# Altium PCB Turbo.PcbDoc (part 2 of 3)
Units mil, origin at the board's own origin, x right, y up, seen from the top; angles counter-clockwise.
Board outline 2244.09 x 2086.61 mil, 4 copper layers (Top Layer, GND, Power, Bottom Layer), stack 23.756 mil thick; 189 components, 157 nets, 733 pads, 481 vias.
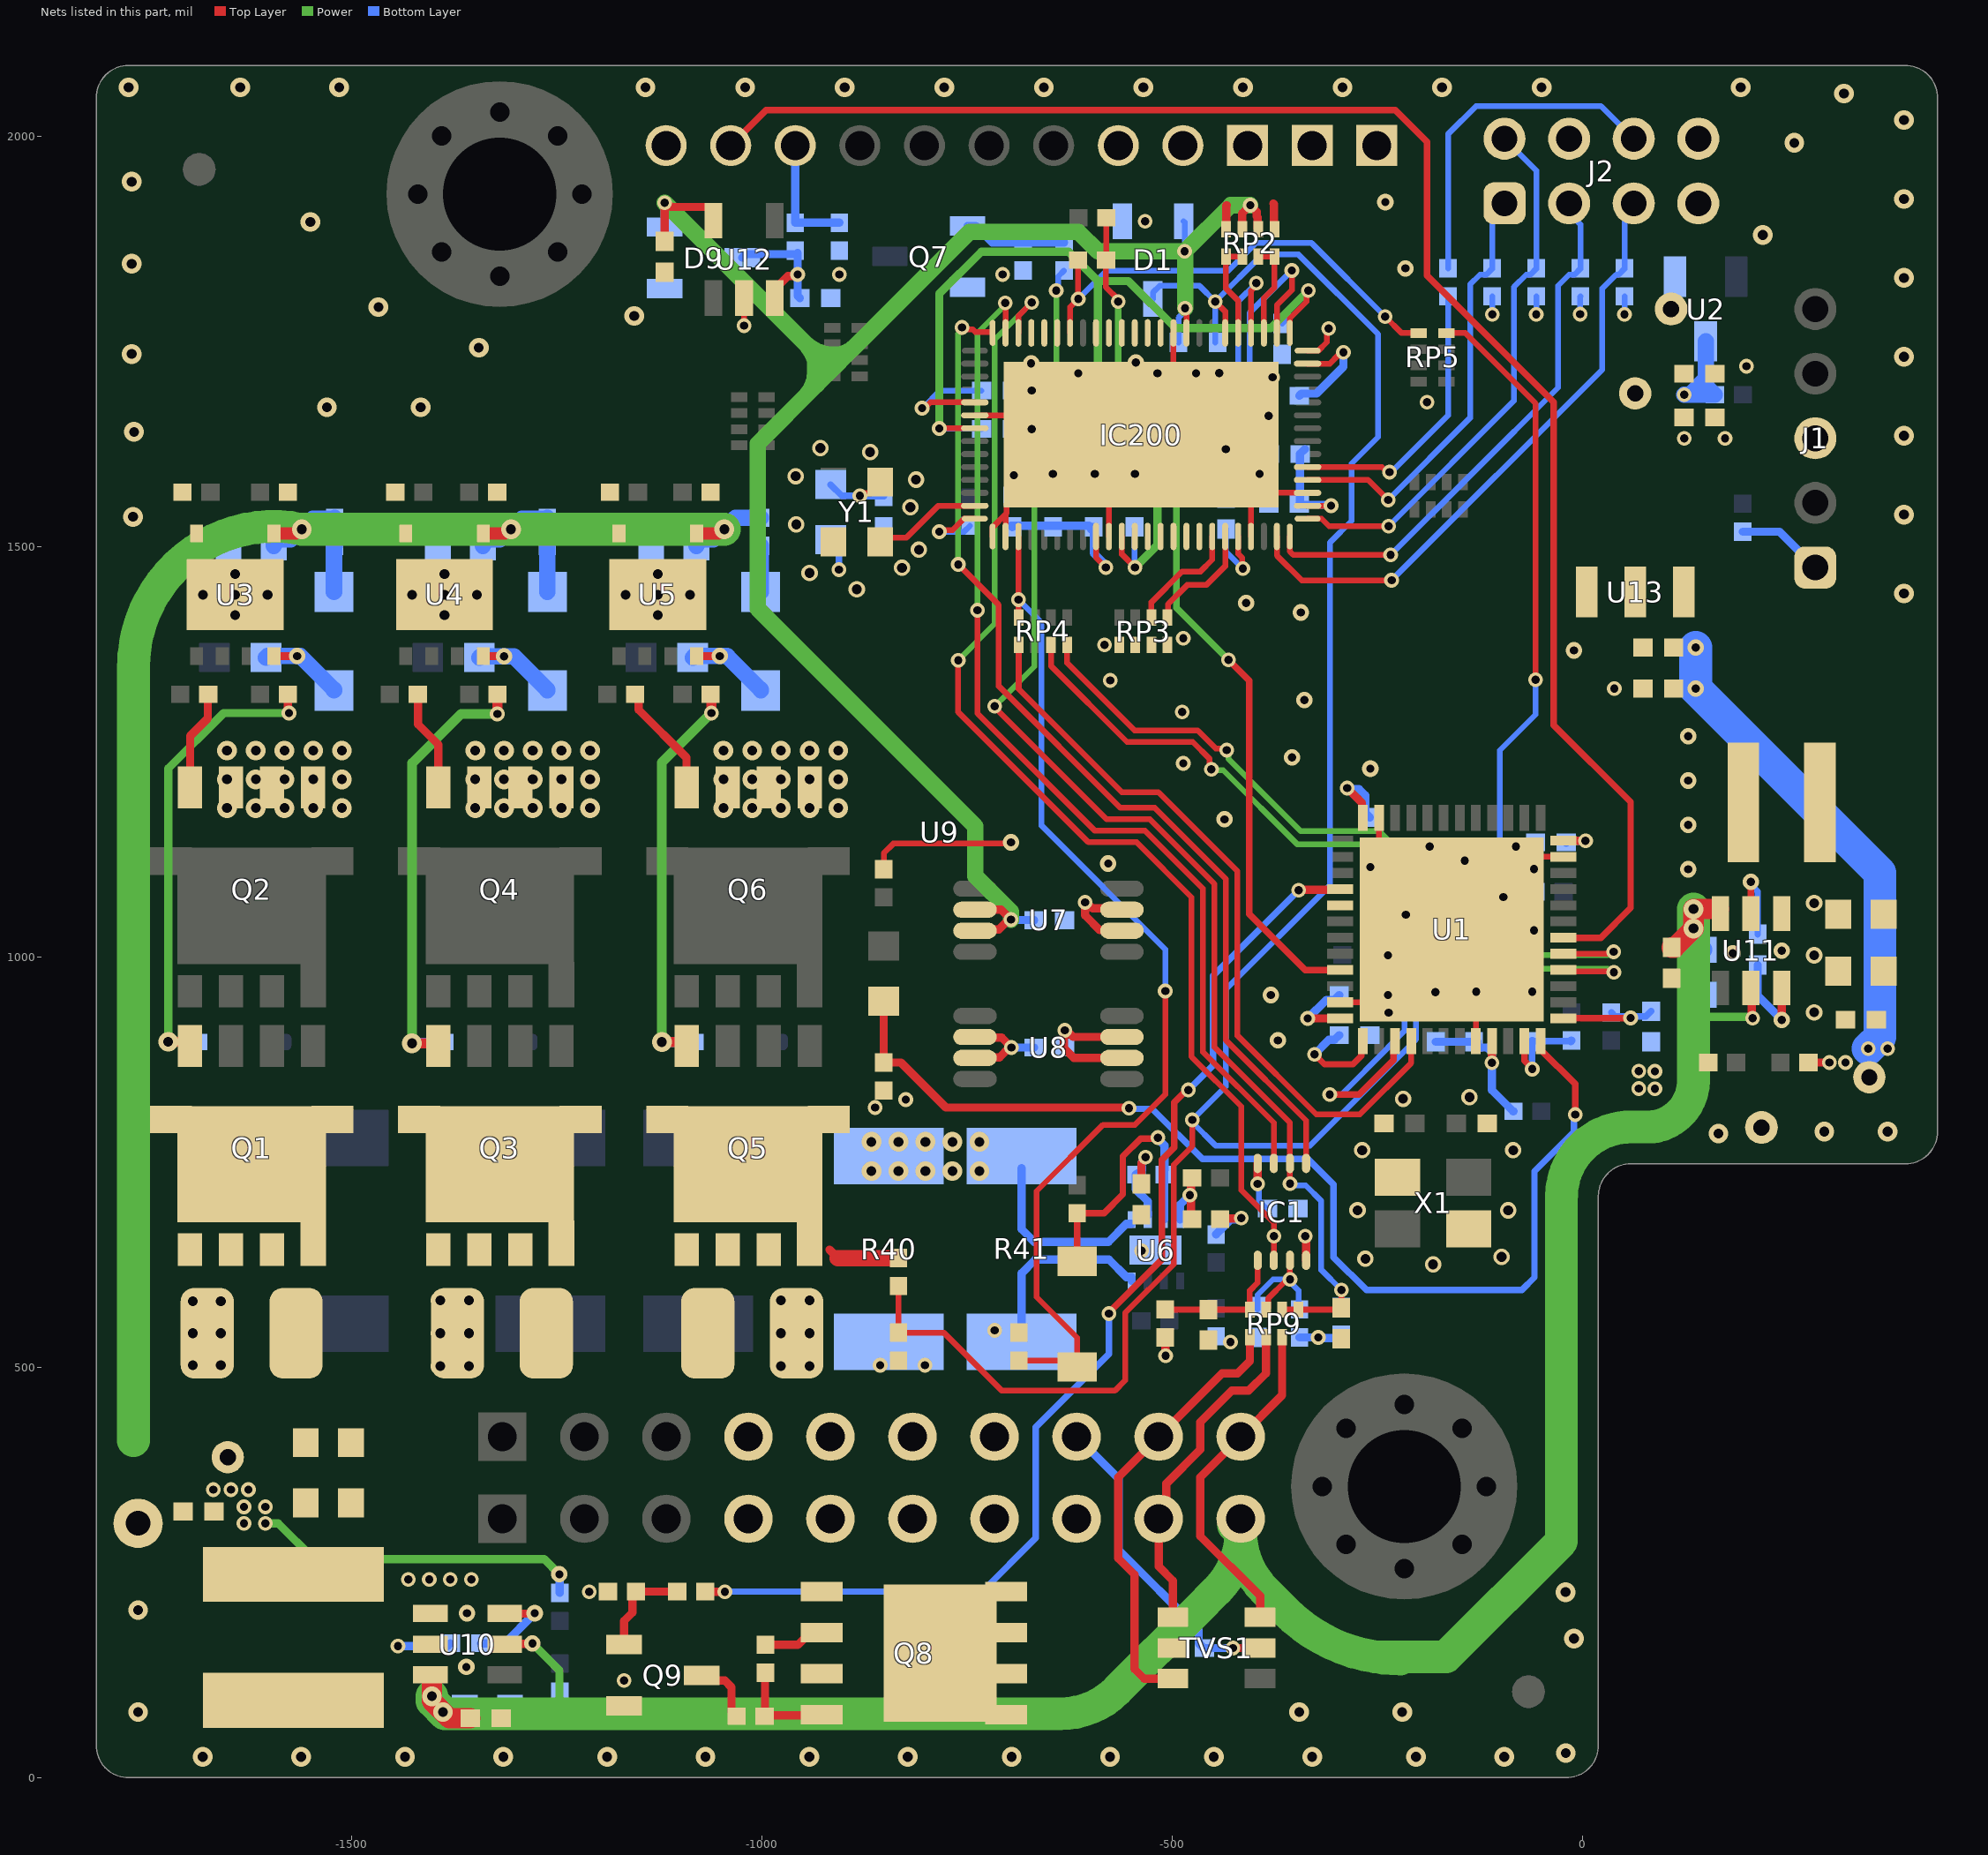
[diagram p4: the nets of this part, all layers, seen from the top]

## Via types
v1: diameter 24, hole 12, Top Layer to Bottom Layer, 215 vias
v2: diameter 18, hole 10, Top Layer to Bottom Layer, 185 vias
v3: diameter 20, hole 10, Top Layer to Bottom Layer, 40 vias
v4: diameter 20, hole 12, Top Layer to Bottom Layer, tented top, 19 vias
v5: diameter 23.62, hole 12, Top Layer to Bottom Layer, tented both sides, 15 vias
v6: diameter 18, hole 10, Top Layer to Bottom Layer, tented top, 4 vias
v7: diameter 20, hole 12, Top Layer to Bottom Layer, 3 vias

## Nets (pads, with @x,y where several pads share a name; then routed paths per layer and width w, separated by ;. In a path a pad name is that pad's centre, name@x,y a point inside that pad or via, vN(x,y) a via of type N, cw(c..) or ccw(c..) an arc to the next point about the centre after c; other vN are vias at no path point)
3V3: C2.2 C3.2 C5.2 C6.2 C7.2 C8.2 C9.2 C10.2 C17.1 C18.1 C19.2 C20.2 C21.1 C22.2 C32.1 C39.2 C62.2 C63.2 FB1.2 IC1.8 IC200.2 IC200.13 IC200.43 IC200.52 IC200.61 IC200.72 J1.1 J2.4 R5.1 R7.2 R8.2 R10.2 R17.2 R18.2 R19.2 R21.2 R27.2 R29.1 R30.1 R44.2 T3.1 U1.1 U1.9 U1.24 U1.36 U1.48 U2.3 U6.2 U9.21 U13.2 | length 2158
  Top Layer w7: R27.2@-851.3,1106.96 -851.3,1126.61 -839.65,1138.26 -697.95,1138.26 v3(-696.33,1139.88) ; v2(-804.52,1669) -801.55,1669 -794.59,1675.96 IC200.43@-740.3,1675.96 ; v2(-783.52,1518.37) -781.42,1520.48 -767.19,1520.48 -753.5,1534.17 -740.36,1534.17 IC200.52@-740.3,1534.23 ; IC200.61@-592.66,1512.57 -592.66,1487.03 v2(-580.5,1474.87) ; IC200.72@-419.43,1512.57 -419.43,1491.49 -414.33,1486.39 -414.33,1474.21 v2(-413.63,1473.51) ; IC200.13@-334.79,1723.2 -307.55,1723.2 -297.95,1732.81 v2@-294.57,1732.81 ; IC200.2@-334.79,1549.98 v2(-306.06,1550.04)
  Top Layer w8: v2(-326.32,881.59) -314.17,869.43 -279.56,869.43 -269.4,879.59 -269.4,895.59 U1.1@-267.4,897.59
  Top Layer w10: C32.1@-537.41,723.62 -537.41,748.75 -532.23,753.92 v6(-532.23,756.09) ; R29.1@-441.36,680.71 -440.74,681.33 -416.21,681.33 v2(-415.58,681.96) ; v2(-395.58,723.62) IC1.8@-395.58,748.62 ; v2(-334.59,925.32) U1.48@-295.13,925.32 ; v2(-286.4,1206.02) -268.4,1188.02 -268.4,1170.59 U1.36@-267.4,1169.59 ; v2(-110.23,871.26) -110.08,871.41 -110.08,897.43 U1.9@-109.92,897.59 ; U1.24@-23.13,1141.85 v2(3.99,1141.85)
  Bottom Layer w7: v2(-804.52,1669) -803.9,1669 -782.47,1690.44 C8.2@-732.03,1690.44 ; v2(-783.52,1518.37) -753.41,1518.37 -746.28,1525.5 R5.1@-746.28,1525.79 ; C10.2@-434.25,1521.71 -434.25,1494.13 v2(-413.63,1473.51) ; v2(-395.58,723.62) -394.3,722.33 -394.3,704.12 -392.12,701.94 -392.12,700.95 -384.8,693.63 C39.2@-383.81,693.63 ; R17.2@-109.77,1805.2 -109.64,1805.07 v2(-109.64,1783.29) ; v2(-56.02,1783.16) R18.2@-56.02,1805.2 ; v2(-2.68,1783.56) -2.68,1804.8 R19.2@-2.27,1805.2 ; v2(51.48,1783.16) R21.2@51.48,1805.2
  Bottom Layer w8: FB1.2@-916.02,1508.78 -906.02,1498.78 v2(-906.02,1472.24)
  Bottom Layer w10: C2.2@-696.28,1525.77 C2.2@-694.63,1524.12 ; C2.2@-694.63,1525.79 -601.19,1525.79 -598.31,1522.91 -598.31,1521.18 C9.2@-595.37,1524.12 ; C9.2@-596.53,1521.18 -595.37,1520.02 -595.37,1492.45 -580.5,1477.58 v2(-580.5,1474.87) ; R30.1@-544.34,734.88 -544.34,717.18 -529.65,702.49 U6.2@-529.65,685.52 ; R30.1@-543.75,735.46 -542.09,735.46 -537.04,740.51 -537.04,749.12 -532.23,753.92 v6(-532.23,756.09) ; R44.2@-446.3,661.96 -446.3,662.47 -440.67,668.1 -440.16,668.1 -427.83,680.43 -417.11,680.43 v2(-415.58,681.96) ; C6.2@-344.76,1552.3 C6.2@-344,1552.3 ; C7.2@-344.76,1683.96 -342.08,1686.64 -323.8,1686.64 -291.01,1719.43 v2(-291.01,1737.05) ; C5.2@-338.18,1618.96 C5.2@-344,1613.14 C6.2@-344,1552.3 ; v2(-334.59,925.32) -311.9,948.01 -302.01,948.01 C20.2@-296.18,953.83 ; v2(-326.32,881.59) -308.81,899.1 -302.01,899.1 C17.1@-296.18,904.92 ; v2(-306.06,1550.04) -307.19,1551.17 -342.87,1551.17 C6.2@-344,1552.3 ; v2(-286.4,1206.02) -284.87,1204.49 -272.09,1204.49 -264.61,1197.01 -264.61,1176.04 C19.2@-258.78,1170.22 ; C22.2@-178.45,896.73 -127.78,896.73 -127.78,891.73 -125.97,889.92 -115.99,889.92 -110.13,884.06 v2@-110.13,872.39 ; v2(-110.23,871.26) -110.13,871.16 -110.13,837.99 -84.39,812.25 R10.2@-83.89,812.25 ; C18.1@-19.54,1139.69 -17.37,1141.85 v2(3.99,1141.85) ; v2(124.15,1685.39) 150.42,1711.66 ; R8.2@195.63,1518.37 240.37,1518.37 J1.1@283.98,1474.76
  Bottom Layer w20: v2(124.15,1685.39) R7.2@161.55,1685.39 161.05,1685.39 150.42,1696.02 150.42,1711.66 U2.3@150.42,1750.35
  other v2: 124.15,1632.24
5V: C4.2 C34.1 C40.1 C41.1 C54.2 C55.2 C56.2 C57.2 C60.2 C61.2 D1.2 D9.2 IC200.23 L2.2 R46.2 R47.2 R48.2 R69.2 RP2.2 RP2.3 T2.1 TVS1.5 U7.6 U7.7 U8.6 U8.7 U9.16 U12.5 U13.3 | length 3688.2
  Top Layer w7: v2(-484.04,1790.7) -482.46,1789.11 IC200.23@-482.46,1760.64
  Top Layer w10: C57.2@-1118.27,1871.93 v2(-1118.27,1919.17) -1115.56,1919.17 -1110.56,1914.17 -1064.77,1914.17 -1058.94,1908.35 U12.5@-1058.94,1897.52 ; U8.7@-740.15,877.13 -739.4,877.87 -710.34,877.87 -698.29,889.92 v2(-695.58,889.92) -707.63,901.97 -739.4,901.97 U8.6@-740.15,902.72 ; U7.7@-740.15,1032.12 -738.65,1033.62 -711.09,1033.62 -699.04,1045.67 v2(-696.33,1045.67) -708.38,1057.72 U7.6@-740.15,1057.72 ; R48.2@-508.2,536.58 -508.02,536.4 -508.02,514.4 v2(-507.85,514.23) ; v2(-425.73,158.11) TVS1.5@-392.58,158.11 ; RP2.2@-414.47,1887.19 -414.47,1906.23 v6@-404.63,1916.06 ; v6(-404.63,1916.24) v6@-404.63,1916.06 ; RP2.3@-394.79,1887.19 -395.69,1888.09 -395.69,1901.57 -396.67,1902.55 -396.67,1908.1 v6@-404.63,1916.06 ; R69.2@275.59,871.45 R69.2@275.59,871.45 v2(301.29,871.53) v2(301.29,871.53)
  Power w20: v2(-1118.27,1919.17) -948.49,1749.39 ; -948.43,1749.34 -934.83,1735.73 ; -946.61,1683.87 ccw(c-975.06,1712.32) -934.83,1712.32 -934.83,1726.65 ; -876.05,1754.43 -886.07,1744.41 ; v2(-696.33,1045.67) -696.33,1055.4 -739.73,1098.8 -739.73,1159.43 -1005,1424.7 -1005,1625.48 -932.47,1698.01 ; v2@-484.04,1791.02 -484.04,1859.42 v2(-484.59,1859.96) ; v6(-404.63,1916.24) -428.3,1916.24 v2(-484.59,1859.96) ; -934.83,1726.65 ccw(c-987.05,1710.76) -948.41,1749.32 ccw(c-911.27,1786.59) -934.83,1739.54 ; -934.83,1726.65 cw(c-987.05,1710.76) -932.47,1710.76 -932.47,1698.01 ; -934.83,1726.65 -934.83,1735.73 ; -934.83,1735.73 -934.83,1739.54 ; -934.83,1735.73 -918.37,1719.27 -911.2,1719.27 ; -934.83,1739.54 ccw(c-911.27,1786.59) -911.27,1733.97 ; -932.47,1698.01 -911.2,1719.27 ; -911.27,1733.97 ccw(c-911.27,1769.6) -886.07,1744.41 ; -911.27,1733.97 -896.51,1733.97 ; -911.2,1719.27 -896.51,1733.97 ; -896.51,1733.97 -886.07,1744.41 ; -886.07,1744.41 -746.8,1883.68 -614.15,1883.68 -590.44,1859.96 v2(-484.59,1859.96)
  Bottom Layer w7: C4.2@-492.09,1748.86 -492.09,1779.14 -484.04,1787.18 v2(-484.04,1790.7) ; D1.2@-485.85,1896.58 -484.59,1895.31 v2(-484.59,1859.96)
  Bottom Layer w10: D9.2@-1118.27,1889.65 v2(-1118.27,1919.17) ; v2(-696.33,1045.67) -695.96,1045.3 -668.44,1045.3 C34.1@-668.06,1044.92 ; v2(-695.58,889.92) C41.1@-668.06,889.92 ; U9.16@-616.2,415.6 -565,364.4 -565,277.61 -467.39,180 -467.39,163.94 -461.57,158.11 C40.1@-460.58,158.11 v2(-425.73,158.11) ; R47.2@-344.6,536.58 v2(-321.64,536.58) -320.93,535.87 -288.75,535.87 R46.2@-288.04,535.16
  Bottom Layer w40: v3(138.19,1377.24) v3(138.19,1327.24) 362.78,1102.65 362.78,902.62 v2(348.55,888.38)
  other v2: 68.96,839.73 88.52,839.66 68.96,860.96 88.52,860.88 320.85,871.45 372.18,888.38
12V: C24.1 C25.1 C26.1 C47.2 C48.2 C49.2 L1.2 R11.1 R20.1 R31.1 R67.2 T1.1 U3.1 U4.1 U5.1 | length 2548.1
  Top Layer w15: U3.1@-1593.11,1516.42 -1568.02,1516.42 -1563.02,1521.42 v1(-1560.58,1521.42) ; U4.1@-1338.11,1516.42 -1313.02,1516.42 -1308.02,1521.42 v1(-1305.58,1521.42) ; U5.1@-1078.11,1516.42 -1053.02,1516.42 -1048.02,1521.42 v1(-1045.58,1521.42)
  Power w10: v2(-1605,310) -1589.18,310 -1545.42,266.24 -1264.95,266.24 v3(-1246.65,247.94)
  Power w40: -1765.61,410.64 -1765.61,1353.72 cw(c-1594.51,1353.72) v1(-1560.58,1521.42) v1(-1305.58,1521.42) v1(-1045.58,1521.42)
  Bottom Layer w10: v3(-1246.65,247.94) -1246.34,247.62 -1246.34,225.49 R67.2@-1246.02,225.17
  Bottom Layer w20: C24.1@-1594.7,1501.19 -1594.7,1503.16 -1588.95,1508.91 -1574.18,1508.91 -1562.43,1520.65 v1@-1561.35,1520.65 ; v1(-1560.58,1521.42) -1559.5,1521.42 -1546.78,1534.13 -1521.21,1534.13 -1520.58,1534.76 R11.1@-1520.58,1535.27 ; C25.1@-1339.7,1501.19 -1339.7,1503.16 -1333.95,1508.91 -1319.18,1508.91 -1306.67,1521.42 v1(-1305.58,1521.42) -1304.5,1521.42 -1291.78,1534.13 -1261.93,1534.13 -1261.3,1534.76 R20.1@-1261.3,1535.27 ; C26.1@-1079.7,1501.19 -1079.7,1503.16 -1073.95,1508.91 -1059.18,1508.91 -1046.67,1521.42 v1(-1045.58,1521.42) -1031.73,1535.27 R31.1@-1001.3,1535.27
  other v2: -1631.1,310 -1631.1,330 -1605,330 -1668.27,351.1 -1646.98,351.1 -1625.68,351.1
24V_Power: C45.2 C46.2 C52.2 C53.2 U9.19 U10.3 U10.5 U11.3 U11.5 | length 3102.9
  Top Layer w10: U10.5@-1313.23,162.66 -1312.65,163.24 -1280.01,163.24 v3(-1279.44,163.82) ; U11.5@205.62,962.47 206.62,961.47 206.62,926.71 v2(207.62,925.71)
  Top Layer w25: U10.3@-1401.92,114.79 -1401.92,93.54 -1381.04,72.66 C46.2@-1355.08,72.66 ; C53.2@108.98,1011.72 112.51,1011.72 v1(135.64,1034.86) v1(135.64,1058.56) U11.3@166.19,1058.56
  Power w10: v3(-1279.44,163.82) -1246.65,131.03 -1246.65,65 ; 134.55,927.24 135.64,927.24 206.08,927.24 v2(207.62,925.71)
  Power w40: v1(-1401.92,99.32) -1401.92,93.54 -1386.24,77.86 -636.2,77.86 ccw(c-636.2,175.77) -566.97,106.53 -470.5,203 -445.49,228.01 ccw(c-516.2,298.72) U9.19@-416.2,298.72 ; U9.19@-424.64,307.16 U9.19@-416.2,315.6 U9.19@-416.2,298.72 ; -221.73,144.92 cw(c-221.6,343.42) -252.55,147.35 ; -25.31,289.07 -25.31,288.02 ; v1(135.64,1058.56) v1(135.64,1034.86) 135.64,927.24 135.64,849.7 cw(c78.58,849.7) 90.6,793.92 cw(c82.22,833.03) 82.31,793.03 59.06,793.03 ccw(c59.06,748.03) 56.85,792.98 52.99,792.79 ccw(c55.2,747.84) 46.42,791.98 38.85,790.47 ccw(c47.63,746.34) 30.41,787.91 23.28,784.96 ccw(c40.5,743.38) 15.5,780.8 9.08,776.51 ccw(c34.08,739.09) 2.24,770.9 -3.18,765.48 ccw(c28.62,733.64) -8.79,758.64 -13.08,752.22 ccw(c24.33,727.22) -17.24,744.44 -20.19,737.31 ccw(c21.38,720.09) -22.75,728.87 -24.26,721.3 ; U9.19@-416.2,298.72 ccw(c-316.2,298.72) -386.91,228.01 -361.9,203 -361.82,202.92 ccw(c-221.6,343.42) -252.55,147.35 ; -252.55,147.35 -165.99,147.35 -25.31,288.02 ; -25.31,288.02 -25.31,330.8 -25.31,708.66 ; -25.31,708.66 cw(c19.69,708.66) -25.26,710.87 ; -25.31,708.66 cw(c19.69,708.66) -25.26,710.87 ; -25.26,710.87 -25.07,714.73 ; -25.07,714.73 cw(c19.88,712.52) -24.26,721.3 ; -25.07,714.73 cw(c19.88,712.52) -24.26,721.3
  Bottom Layer w25: v1(-1401.92,99.32) -1401.92,93.54 v1(-1388.44,80.06) -1364.93,80.06 C45.2@-1361.89,83.1 ; v1(135.64,1058.56) v1(135.64,1034.86) 135.64,1017.5 144.08,1009.06 C52.2@146.05,1009.06
24V_TRUBO: C23.2 C28.2 C30.2 Q1.5 Q1.6 Q1.7 Q1.8 Q3.5 Q3.6 Q3.7 Q3.8 Q5.5 Q5.6 Q5.7 Q5.8 Q8.S R1.2 R62.2 U9.7 U9.8 | length 163.1
  Top Layer w10: R62.2@-995.58,161.96 -955.78,161.96 -940.86,176.88 Q8.S@-927.08,176.88 ; -917.58,643.58 -907.27,633.27
  Top Layer w20: -907.27,633.27 R1.2@-833.41,633.27
+VCC_CORE: C11.2 C12.2 C13.2 IC200.15 IC200.45 IC200.63 | length 1375.7
  Top Layer w7: v2(-783.52,1644.19) -783.28,1644.43 IC200.45@-740.33,1644.43 ; IC200.63@-561.13,1512.54 -561.13,1490.94 v2(-545.07,1474.87) ; IC200.15@-356.44,1760.61 -356.44,1773.8 -356.35,1773.89 -356.35,1778.26 -335.94,1798.67 -335.94,1810.2 v2(-333.84,1812.31)
  Power w10: v2(-783.52,1644.19) -783.52,1808.46 -732.3,1859.68 -626.04,1859.68 -590.24,1823.88 ; v2(-545.07,1474.87) -517.67,1502.27 -517.67,1600.05 -590.24,1672.63 -590.24,1823.88 ; v2(-333.84,1812.31) -379.59,1766.56 -495.82,1766.56 -553.15,1823.88 -590.24,1823.88
  Bottom Layer w7: v2(-783.52,1644.19) -732.7,1644.19 C12.2@-732.03,1643.53 ; v2@-545.74,1483.2 C13.2@-545.74,1521.71 ; C11.2@-365.74,1772.03 -358.41,1779.36 -358.41,1787.73 v2(-333.84,1812.31)
AD_SPEED: C59.2 R72.1 U1.11 | length 120.7
  Top Layer w8: U1.11@-70.55,897.59 -70.55,873.7 -61.02,864.18 v2(-61.02,863.61)
  Bottom Layer w8: C59.2@-61.85,896.73 -61.44,896.32 -61.44,864.02 v2(-61.02,863.61) ; C59.2@-61.02,897.56 -58.78,897.56 R72.1@-14.07,897.56
  Bottom Layer w10: C59.2@-61.85,896.73 C59.2@-61.02,897.56 ; R72.1@-14.07,897.56 R72.1@-13.24,898.39
ADC_I0_INN: IC200.17 RP2.5 RP2.6 | length 117.9
  Top Layer w7: RP2.6@-394.79,1853.53 RP2.5@-375.1,1853.53 -375.1,1815.99 -387.94,1803.16 IC200.17@-387.94,1760.61
ADC_I1_INN: IC200.19 RP2.7 RP2.8 | length 118.7
  Top Layer w7: IC200.19@-419.47,1760.64 -419.47,1800.02 -434.16,1814.71 RP2.8@-434.16,1853.53 RP2.7@-414.47,1853.53
ADC_I_U_X1: C42.1 IC200.16 R54.2 | length 371.9
  Top Layer w7: IC200.16@-372.19,1760.61 -372.16,1794.54 -353.9,1812.79 v2(-353.9,1836.62)
  Bottom Layer w7: R54.2@-510.74,1657.78 -462.4,1657.78 C42.1@-460.74,1659.44 -433.16,1659.44 -405.52,1687.08 -405.52,1785 v2(-353.9,1836.62)
ADC_I_V_X2: C35.1 IC200.18 R49.2 | length 414.4
  Top Layer w7: IC200.18@-403.68,1760.61 -403.68,1812.01 -397.24,1818.46 v2(-397.24,1821.43)
  Bottom Layer w7: R49.2@-621.5,1657.78 -569.58,1657.78 C35.1@-567.92,1659.44 -548.69,1659.44 -524.17,1683.96 -434.27,1683.96 -419.52,1698.71 -419.52,1799.15 v2(-397.24,1821.43)
ADC_VM_LP: C1.2 D1.3 IC200.20 R1.1 R2.2 R16.1 | length 2739.1
  Top Layer w7: R1.1@-833.41,599.19 R2.2@-833.41,542.48 -778.17,542.48 -707.32,471.63 -569.65,471.63 -557.11,484.18 -557.11,566.28 -497.73,625.66 -497.73,746.89 -475.21,769.42 v2(-475.21,801.61) ; v2(-447.34,1798.9) -435.18,1786.74 IC200.20@-435.18,1760.61
  Bottom Layer w7: D1.3@-523.26,1802.09 -523.26,1809.7 -514.95,1818.01 -466.44,1818.01 v2(-447.34,1798.9) ; C1.2@-447.34,1748.86 v2(-447.34,1798.9) ; R16.1@-131.79,1030.3 -161.22,1030.3 -202.79,988.73 -202.79,953.68 -202.52,953.41 -202.52,899.59 -331.73,770.39 -446.96,770.39 -475.21,798.64 v2(-475.21,801.61) -434.55,842.27 -434.55,960.49 -307.31,1087.73 -307.31,1505.39 -281.05,1531.65 -281.05,1601.47 -248.9,1633.62 -248.9,1759.19 -345.83,1856.12 -390.13,1856.12 v2(-447.34,1798.9)
ALERT: D7.1 R30.2 R32.1 U6.3 | length 325
  Top Layer w8: D7.1@-615.58,629.3 R32.1@-615.58,687.88 -582.96,687.88 -559.93,710.92 -559.93,757.16 -538.32,778.77 -518.58,778.77 v6(-517.32,780.03)
  Bottom Layer w10: v6(-517.32,780.03) -517.32,778.61 -509.09,770.39 -509.09,740.51 -509.81,739.79 R30.2@-509.81,735.74 ; U6.3@-509.89,680.27 -509.81,680.34 R30.2@-509.81,735.15
ARESET: R29.2 R34.1 U6.4 | length 86.3
  Top Layer w10: R29.2@-475.44,680.71 -476.7,681.97 -476.7,708.58 -476.84,708.72 -476.84,729.65 R34.1@-475.44,731.04
  Bottom Layer w10: U6.4@-490.2,680.27 -490.2,698.14 v6(-478.23,710.11)
BRAKE_EN: R65.1 U1.40 | length 1404.6
  Top Layer w8: v2(-576.81,565.64) -576.81,567.08 -512.23,631.66 -512.23,753.04 -497.32,767.96 -497.32,823.04 -482.26,838.09 v2(-480.15,838.09)
  Top Layer w10: R65.1@-1068.98,226.88 -1068.82,226.72 -1045.19,226.72 v2(-1045.02,226.55) ; v2(-345.67,1081.48) -345.01,1082.14 -295.79,1082.14 U1.40@-295.13,1082.8
  Bottom Layer w8: v2(-1045.02,226.55) -1044.69,226.88 -731.39,226.88 -666.02,292.24 -666.02,427.24 -576.81,516.45 v2(-576.81,565.64) ; v2(-480.15,838.09) -450,868.24 -450,977.15 v2(-345.67,1081.48)
BRAKE_LED: U1.41
Current_SUM: C23.1 C28.1 C30.1 Q2.1 Q2.2 Q2.3 Q4.1 Q4.2 Q4.3 Q6.1 Q6.2 Q6.3 R40.2 R41.2 U6.1 | length 223.9
  Bottom Layer w10: R41.2@-683.42,742.81 -683.42,668.46 -667.99,653.02 -577.52,653.02 -555.54,675.01 U6.1@-549.34,675.01
  other v1: -1391.65,501.61 -1356.65,501.61 -976.65,501.61 -941.65,501.61 -1693.27,502.74 -1659.17,502.74 -1693.27,541.61 -1659.17,541.61 -1391.65,541.61 -1356.65,541.61 -976.65,541.61 -941.65,541.61 -1693.27,580.49 -1659.17,580.49 -1391.65,581.61 -1356.65,581.61 -976.65,581.61 -941.65,581.61 -866.3,739.2 -833.41,739.2 -800.52,739.2 -767.63,739.2 -734.74,739.2 -866.3,774.92 -833.41,774.92 -800.52,774.92 -767.63,774.92 -734.74,774.92 -1651.65,1181.61 -1616.65,1181.61 -1581.65,1181.61 -1546.65,1181.61 -1511.65,1181.61 -1349.15,1181.61 -1314.15,1181.61 -1279.15,1181.61 -1244.15,1181.61 -1209.15,1181.61 -1046.65,1181.61 -1011.65,1181.61 -976.65,1181.61 -941.65,1181.61 -906.65,1181.61 -1651.65,1216.61 -1616.65,1216.61 -1581.65,1216.61 -1546.65,1216.61 -1511.65,1216.61 -1349.15,1216.61 -1314.15,1216.61 -1279.15,1216.61 -1244.15,1216.61 -1209.15,1216.61 -1046.65,1216.61 -1011.65,1216.61 -976.65,1216.61 -941.65,1216.61 -906.65,1216.61 -1651.65,1251.61 -1616.65,1251.61 -1581.65,1251.61 -1546.65,1251.61 -1511.65,1251.61 -1349.15,1251.61 -1314.15,1251.61 -1279.15,1251.61 -1244.15,1251.61 -1209.15,1251.61 -1046.65,1251.61 -1011.65,1251.61 -976.65,1251.61 -941.65,1251.61 -906.65,1251.61
Current_SUM_ADC: C33.2 R42.2 U1.13 | length 137.1
  Top Layer w8: U1.13@-23.13,925.32 -22.83,925.62 58.68,925.62 v2(58.98,925.91)
  Bottom Layer w8: R42.2@35.37,932.47 40.02,927.83 57.06,927.83 v2(58.98,925.91) 60.89,927.83 77.67,927.83 C33.2@83.98,934.13
D_EN: R3.2 R63.1 U1.45 | length 1062.1
  Top Layer w7: R3.2@-580.03,1849.63 R63.1@-580.03,1901.07 ; R3.2@-574.18,1849.33 -574.18,1848.52 -580.5,1842.2 -580.5,1816.37 -565.44,1801.3 v2(-565.44,1798.9)
  Top Layer w8: v2(-431.02,1362.24) -405.73,1336.95 -405.73,1052.44 -337.66,984.37 U1.45@-295.13,984.37
  Power w8: v2(-565.44,1798.9) -565.44,1679.81 -494.59,1608.96 -494.59,1425.81 v2(-431.02,1362.24)
DBG_SPI_MISO: IC200.4 J2.1 R17.1 | length 533
  Top Layer w7: IC200.4@-334.79,1581.47 -260.99,1581.47 v2(-236.61,1557.1)
  Bottom Layer w7: v2(-236.61,1557.1) -136.65,1657.06 -136.65,1819.69 -124.68,1831.65 -116.9,1831.65 -109.77,1838.78 -109.77,1903.49 J2.1@-94.76,1918.5
DBG_SPI_MOSI: IC200.1 J2.2 R18.1 | length 668.2
  Top Layer w7: IC200.1@-334.79,1534.23 -317.57,1534.19 -308.5,1525.13 v2(-236.05,1525.13)
  Bottom Layer w7: v2(-236.05,1525.13) -83.17,1678 -83.17,1816.72 -68.24,1831.65 -63.15,1831.65 -56.02,1838.78 -56.02,1958.5 J2.2@-94.76,1997.24
DBG_SPI_nSCS: IC200.75 J2.5 R21.1 | length 758.8
  Top Layer w7: IC200.75@-372.16,1512.54 -372.16,1489.44 -341.93,1459.21 v2(-232.37,1459.21)
  Bottom Layer w7: v2(-232.37,1459.21) 24.5,1716.08 24.5,1814.84 41.31,1831.65 44.35,1831.65 51.48,1838.78 51.48,1895.31 62.72,1906.55 J2.5@62.72,1918.5
DBG_SPI_SCK: IC200.76 J2.3 R19.1 | length 677.4
  Top Layer w7: IC200.76@-356.41,1512.54 -356.41,1494.2 -352.25,1490.05 v2(-233.5,1490.05)
  Bottom Layer w7: v2(-233.5,1490.05) -134.13,1589.42 -29.61,1693.93 -29.61,1818.17 -16.13,1831.65 -9.4,1831.65 R19.1@-2.27,1838.78 ; J2.3@-16.02,1918.5 -16.02,1906.55 -2.27,1892.8 R19.1@-2.27,1838.78 ; R19.1@-2.27,1839.28 R19.1@-2.27,1838.78
DBG_SPI_TRG: IC200.5 R4.2 | length 347.5
  Top Layer w7: IC200.5@-334.79,1597.22 -244.06,1597.22 -237.89,1591.05 v2(-234.92,1591.05)
  Bottom Layer w7: v2(-234.92,1591.05) -232.62,1591.05 -163.52,1660.15 R4.2@-163.52,1805.2
EN_IN: D7.2 IC200.55 R36.1 RP4.5 | length 1290.4
  Top Layer w7: IC200.55@-687.15,1512.57 v2(-687.15,1435.6) -687.15,1414.34 RP4.5@-686.82,1414.01 ; R36.1@-686.67,508.4 -623.44,508.4 D7.2@-615.58,500.55 -615.58,536.35 -665.03,585.8 -665.03,714.68 -584.11,795.6 -545.26,795.6 -508.2,832.66 v2(-508.2,958.69)
  Bottom Layer w7: v2(-687.15,1435.6) -658.89,1407.34 -658.89,1160.19 -508.2,1009.5 v2(-508.2,958.69)
EN_IN_: RP4.4 U1.4 | length 916.7
  Top Layer w7: RP4.4@-686.82,1380.35 -686.82,1326.75 -561.06,1200.99 -516.49,1200.99 -420.23,1104.72 -420.23,904.33 -324.24,808.34 -271.09,808.34 -208.34,871.09 U1.4@-208.34,897.59
EN_OUT: IC200.32 R3.1 RP5.8 | length 581.4
  Top Layer w7: IC200.32@-624.16,1760.61 -624.16,1792.06 v2(-614.26,1801.96) R3.1@-614.26,1849.17 ; v2(-240.29,1780.49) -220.21,1760.41 RP5.8@-199.16,1760.41
  Bottom Layer w7: v2(-614.26,1801.96) -579.56,1836.66 -431.28,1836.66 -397.82,1870.12 -329.91,1870.12 v2(-240.29,1780.49)
EN_OUT_: RP5.1 U1.3 | length 1218.3
  Top Layer w7: RP5.1@-165.5,1760.41 -142.46,1760.41 -56.85,1674.81 v2(-56.85,1337.94)
  Top Layer w8: v2(-307.8,832.57) -271.96,832.57 -230.03,874.5 -230.03,895.59 U1.3@-228.03,897.59
  Bottom Layer w7: v2(-307.8,832.57) -293.63,832.59 -236.47,889.75 -236.47,890.37 -216.52,910.32 -216.52,947.61 -217.29,948.38 -217.29,995.97 -100.45,1112.82 -100.45,1251.97 -56.85,1295.56 v2(-56.85,1337.94)
GND: C1.1 C2.1 C3.1 C4.1 C5.1 C6.1 C7.1 C8.1 C9.1 C10.1 C11.1 C12.1 C13.1 C14.1 C15.2 C16.2 C17.2 C18.2 C19.1 C20.1 C21.2 C22.1 C24.2 C25.2 C26.2 C32.2 C33.1 C34.2 C35.2 C36.1 C37.1 C38.1 C39.1 C40.2 C41.2 C42.2 C43.1 C45.1 C46.1 C47.1 C48.1 C49.1 C52.1 C53.1 C54.1 C55.1 C56.1 C57.1 C58.1 C59.1 C60.1 C61.1 C62.1 C63.1 D1.1 D9.1 GND1.1 GND2.1 GND3.1 IC1.4 IC200.3 IC200.14 IC200.24 IC200.44 IC200.53 IC200.54 IC200.62 IC200.73 IC200.77 J1.3 J2.7 J2.8 Q7.2 Q9.2 R2.1 R6.2 R9.2 R13.1 R14.1 R24.1 R25.1 R33.1 R36.2 R37.1 R38.1 R40.1 R41.1 R45.1 R58.2 R66.2 R68.2 R70.2 R73.1 RP2.1 RP2.4 RP3.1 RP3.2 RP3.3 RP3.4 TVS1.2 U1.8 U1.23 U1.35 U1.47 U1.49 U2.1 U3.4 U3.9 U4.4 U4.9 U5.4 U5.9 U6.8 U6.9 U7.2 U7.3 U8.2 U8.3 U9.9 U9.10 U9.11 U9.12 U9.15 U9.22 U9.23 U9.24 U9.25 U9.32 U10.1 U11.1 U12.2 U13.1 X1.G Y1.2 | length 2402.4
  Top Layer w7: U12.2@-1021.54,1803.03 -1021.41,1802.9 v2(-1021.41,1769.52) ; IC200.44@-740.3,1660.21 -561.16,1660.21 IC200.77@-537.54,1636.59 ; IC200.53@-718.64,1512.57 -718.64,1523.75 -702.9,1539.5 ; IC200.54@-702.9,1512.57 -702.9,1539.5 ; IC200.62@-576.91,1512.57 -576.91,1597.22 IC200.77@-567.92,1606.22 ; IC200.77@-567.92,1601.25 IC200.77@-567.92,1606.22 ; IC200.24@-498.17,1760.61 -498.17,1675.96 IC200.77@-537.54,1636.59 ; IC200.77@-409.05,1561.53 -403.68,1556.17 IC200.73@-403.68,1512.57 ; IC200.3@-334.79,1565.72 -466.68,1565.72 IC200.77@-537.54,1636.59 ; IC200.14@-334.79,1738.95 -321.64,1738.95 -311.16,1749.44 -311.16,1763.92 v2(-309.05,1766.02) ; U1.47@-295.13,945 -247.71,945 U1.49@-237.84,954.88 ; U1.35@-247.71,1169.59 -247.71,1122.17 U1.49@-159.13,1033.59 ; v2(-236.79,953.83) U1.49@-237.84,954.88 ; U1.8@-129.6,897.59 -129.6,957.77 -129.6,1004.06 U1.49@-159.13,1033.59 ; U1.23@-23.13,1122.17 -70.55,1122.17 U1.49@-159.13,1033.59 ; -702.9,1539.5 -701.37,1541.03 -701.37,1551.51 -616.28,1636.59 IC200.77@-537.54,1636.59 ; IC200.77@-567.92,1606.22 IC200.77@-537.54,1636.59 ; U1.49@-237.84,954.88 U1.49@-159.13,1033.59
  Top Layer w10: U8.2@-561.02,877.13 -619.68,877.13 -631.79,889.24 -631.79,909.62 v2(-630.66,910.75) -628.5,910.75 -620.46,902.72 U8.3@-561.02,902.72 ; U7.2@-561.02,1032.12 -561.76,1032.87 -588.04,1032.87 -606.02,1050.86 v2(-606.02,1066.72) -603.86,1066.72 -596.71,1059.57 -562.87,1059.57 U7.3@-561.02,1057.72 ; RP2.1@-434.16,1887.19 -433.79,1887.55 -433.79,1915.88 -433.43,1916.24 ; -376.56,1918.23 -375.83,1917.5 -375.83,1887.92 RP2.4@-375.1,1887.19 ; v2(-337.52,659.92) -336.61,659.01 -336.61,630.58 IC1.4@-336.53,630.51
  Bottom Layer w10: R41.1@-683.42,545.96 -683.42,614.65 -666.72,631.35 -576.81,631.35 -555.57,610.12 -549.34,610.12 -549.26,610.04 U6.8@-549.26,605.47
  other v1: -1681.26,25.55 -1561.39,25.55 -1434.81,25.55 -1314.94,25.55 -1188.36,25.55 -1068.49,25.55 -941.91,25.55 -822.04,25.55 -695.46,25.55 -575.59,25.55 -449.01,25.55 -329.14,25.55 -202.56,25.55 -95.17,25.55 -20,30 -1760,80 -345,80 -219.45,80 -10.06,169.64 -1760,204.31 -20.45,226.22 165.9,784.96 295,787.4 372.18,787.4 392,1443.1 -1766.3,1536.51 392,1539.25 392,1635.4 -1765,1640 -1530,1670 -1415.66,1670 392,1731.55 -1767.87,1734.92 -1344.85,1742.6 -1155.36,1781.38 -1467.17,1791.98 392,1827.7 -1767.87,1844.92 220,1880 -1550,1895.86 392,1923.85 -1767.87,1944.92 258.39,1992.24 392,2020 318.98,2052.24 -1771.65,2059.92 -1635.58,2059.92 -1515,2059.92 -1141.62,2059.92 -1020.28,2059.92 -898.93,2059.92 -777.59,2059.92 -656.25,2059.92 -534.9,2059.92 -413.56,2059.92 -292.22,2059.92 -170.88,2059.92 -49.53,2059.92 193.15,2059.92
  other v2: -1167.68,118.41 -1210.15,226.73 -1430.69,241.55 -1405.09,241.55 -1379.49,241.55 -1353.89,241.55 -855.73,502.74 -800.94,502.74 -428.84,530.81 -716.09,545.2 -537.08,642.32 -861.92,816.63 -824.54,826.35 -236.02,932.24 -178.95,957.21 -129.34,957.77 -61.02,957.74 -236.79,1002.24 -58.78,1032.5 -58.78,1107.24 -258.24,1109.69 -80.95,1134.69 -486.25,1236.09 -487.5,1298.84 38.98,1327.24 -575.15,1337.21 -582.24,1380.35 -486.25,1388.66 -692.64,1587.16 -645,1588.75 -594.02,1588.75 -545.07,1588.75 -393.3,1588.75 174.04,1632.24 -670.84,1643.53 -382.16,1659.44 -189.25,1676.1 -670.84,1690.44 -377.3,1706.6 -517.67,1711.46 -470.74,1711.46 -442.41,1711.64 200,1720 -905.4,1831.91 -706.44,1831.91 -532.82,1896.58
  other v3: -1360,135 -1359.34,200.47 -370.98,898.53 -379.38,953.83 183.3,1004.49 243.23,1007.71 -214.99,1051.69 -96.12,1073.2 128.98,1107 -577.75,1114 -143.3,1117.53 -185.96,1134.7 128.98,1161.07 -435.86,1167.88 128.98,1215.13 -258.24,1229.64 -353.86,1243.48 128.98,1269.19 -338.81,1313.35 -10,1373.76 -342.87,1420 -409.64,1431.69 -434.25,1618.96 -614.26,1711.46 -671.67,1723.63 -543.97,1724.44 -215.48,1839.28 -240,1920
  other v4: -181.78,625.51 -264.32,632.37 -98.24,634.69 -273.89,691.53 -90.23,691.41 -268.3,764.66 -84.23,764.66 -218.36,827.31 -137.45,829.29 -884.19,1448.29 -941.65,1468.19 -828.99,1474.36 -808.51,1496.43 -957.94,1527.2 -818.86,1548.27 -811.93,1581.84 -958.65,1585.98 -867.89,1615.5 -928.49,1620.29
  other v5: -1641.65,1416.61 -1386.65,1416.61 -1126.65,1416.61 -1681.02,1441.61 -1641.65,1441.61 -1602.28,1441.61 -1426.02,1441.61 -1386.65,1441.61 -1347.28,1441.61 -1166.02,1441.61 -1126.65,1441.61 -1087.28,1441.61 -1641.65,1466.61 -1386.65,1466.61 -1126.65,1466.61
  other v7: 282.62,932.71 282.62,1002.21 282.62,1065.71
GPIO0: IC200.70 RP3.7 | length 142.4
  Top Layer w7: RP3.7@-525.08,1414.01 -525.08,1432.47 -487.64,1469.91 -465.27,1469.91 -450.93,1484.26 IC200.70@-450.93,1512.57
GPIO1: IC200.71 RP3.8 | length 141.3
  Top Layer w7: RP3.8@-505.39,1414.01 -504.75,1414.65 -504.75,1430.07 -481.45,1453.37 -458.21,1453.37 -435.18,1476.4 IC200.71@-435.18,1512.57
HALL_UX: IC1.5 IC200.38 | length 1261.4
  Top Layer w7: v2(-760.53,1478.47) -711.14,1429.09 -711.14,1330.14 -562.88,1181.88 -521.07,1181.88 -434.23,1095.04 -434.23,898.53 -336.53,800.83 IC1.5@-336.53,748.62 ; v2(-756.02,1767.24) -753.92,1765.14 -742.99,1765.14 -739.68,1761.83 -718.73,1761.83 -718.73,1760.69 IC200.38@-718.64,1760.61
  Power w7: v2(-760.53,1478.47) -760.53,1759.76 -756.02,1764.27 v2(-756.02,1767.24)
HALL_UX_5V: C37.2 IC1.3 R47.1 RP9.2 | length 180
  Top Layer w7: RP9.2@-385.42,570.45 -383.02,572.85 -383.02,583.87 -361.8,605.09 -358.32,605.09 v2(-356.21,607.19) IC1.3@-356.21,630.51
  Bottom Layer w7: C37.2@-395.58,570.66 C37.2@-395.58,573.98 -395.58,588.43 -376.82,607.19 v2(-356.21,607.19) -356.21,604.21 -345.58,593.58 R47.1@-345.58,570.66
HALL_UX_IN: RP9.7 TVS1.1 U9.17 | length 414.7
  Top Layer w10: TVS1.1@-498.88,195.51 -498.88,240.11 -516.2,257.44 U9.17@-516.2,315.6 -506.81,324.98 -506.81,358.69 -465.58,399.92 -465.58,433.23 -427.18,471.63 -406.58,471.63 -385.42,492.79 RP9.7@-385.42,536.79
HALL_V: IC1.7 IC200.37 | length 1284.7
  Top Layer w7: v2(-737.02,1422.58) -737.02,1296.99 -593.92,1153.88 -532.67,1153.88 -462.23,1083.44 -462.23,884.44 -375.9,798.11 IC1.7@-375.9,748.62 ; v2(-703.21,1797.18) -702.93,1796.9 IC200.37@-702.9,1760.61
  Power w7: v2(-737.02,1422.58) -737.02,1760.58 -703.21,1794.39 v2(-703.21,1797.18)
HALL_V_5V: C38.2 IC1.1 R48.1 RP9.1 | length 167.2
  Top Layer w7: R48.1@-508.2,570.66 -507.99,570.45 RP9.1@-405.11,570.45 -405.11,593.63 -395.58,603.16 IC1.1@-395.58,630.51
HALL_V_IN: RP9.8 TVS1.3 U9.18 | length 541.8
  Top Layer w10: TVS1.3@-498.88,120.71 -533.92,120.71 -545.73,132.52 -545.73,247.58 -565.58,267.44 -565.58,366.22 U9.18@-516.2,415.6 -439,492.79 -420.11,492.79 -405.11,507.79 RP9.8@-405.11,536.79
HALL_WY: IC1.2 IC200.36 | length 1441.9
  Top Layer w7: v2(-760.53,1361.76) -760.53,1298.59 -601.82,1139.88 -543.08,1139.88 -476.23,1073.03 -476.23,878.64 -415.58,818 -415.58,716.04 -375.9,676.35 v2(-375.9,659.92) IC1.2@-375.9,630.51 ; IC200.36@-687.15,1760.61 -687.12,1781.41 v2(-670.84,1797.68)
  Power w7: v2(-760.53,1361.76) -716.02,1406.27 -716.02,1752.5 v2(-670.84,1797.68)
HALL_WY_5V: C36.2 IC1.6 R46.1 R57.2 RP9.3 RP9.4 | length 1610.2
  Top Layer w7: v2(-716.02,1305.7) -716.02,1304.38 -579.52,1167.88 -526.87,1167.88 -448.23,1089.24 -448.23,890.24 -356.21,798.22 IC1.6@-356.21,748.62 v2(-356.21,724) ; RP9.3@-365.74,570.45 RP9.4@-346.05,570.45 C36.2@-295.79,570.45 ; C36.2@-293.8,570.66 -293.53,570.93 v2(-293.53,594.24)
  Power w7: v2(-716.02,1305.7) -701.73,1319.99 -667.65,1354.07 -667.65,1605.26 -641.02,1631.88 v2(-641.02,1812.24)
  Bottom Layer w7: v2(-641.02,1812.24) -641.02,1815.22 -638.6,1817.64 -638.6,1829.53 R57.2@-631.47,1836.66 ; v2(-356.21,724) -354.11,721.89 -337.19,721.89 -318.02,702.72 -318.02,618.72 v2(-293.53,594.24) R46.1@-293.53,570.93
HALL_WY_IN: RP9.6 TVS1.6 U9.20 | length 412.9
  Top Layer w10: TVS1.6@-392.58,195.51 -392.58,221.41 -465.58,294.42 -465.58,366.22 U9.20@-416.2,415.6 -365.74,466.06 RP9.6@-365.74,536.79
I_SET: U1.18 U9.31 | length 2016.2
  Top Layer w8: U9.31@-1037.88,1989.05 -994.69,2032.24 -227.93,2032.24 -189.22,1993.53 -189.22,1830.7 -34.78,1676.26 -34.78,1282.8 58.98,1189.05 58.98,1059.94 22.69,1023.65 -23.04,1023.65 U1.18@-23.13,1023.74
MOS_T_ADC: R28.1 R33.2 U1.12 | length 1367.1
  Top Layer w8: U1.12@-50.86,897.59 -50.86,887.59 -8.6,845.32 v2(-8.6,808)
  Top Layer w10: R28.1@-851.3,946.46 R33.2@-851.3,871.57 -830.39,871.57 -775.46,816.63 -553.13,816.63 v2(-552.46,815.97)
  Bottom Layer w8: v2(-552.46,815.97) -551.6,815.1 -524.1,815.1 -462.94,753.95 -334.16,753.95 -303.06,722.84 -303.06,634.22 -263.07,594.24 -73.75,594.24 -58.28,609.71 -58.28,738.92 -10.21,787 -10.21,806.39 v2(-8.6,808)
MSPI1_MISO: RP4.2 U1.16 | length 935.3
  Top Layer w7: RP4.2@-647.45,1380.35 -647.45,1354.84 -554.85,1262.24 -474.78,1262.24 -454.07,1241.53 -454.07,1231.02 v2(-451.96,1228.91) ; U1.16@-23.13,984.37 -21.57,982.81 37.3,982.81 v2(38.61,981.5)
  Power w7: v2(-451.96,1228.91) -450.75,1227.71 -437.52,1227.71 -347.06,1137.24 -256.33,1137.24 -104.93,985.85 31.28,985.85 35.63,981.5 v2(38.61,981.5)
MSPI1_MOSI: RP4.1 U1.17 | length 904.7
  Top Layer w7: RP4.1@-627.76,1380.35 -627.76,1358.56 -545.45,1276.24 -468.59,1276.24 -446.7,1254.35 -435.55,1254.35 v2(-433.45,1252.24) ; U1.17@-23.13,1004.06 29.82,1004.06 30.16,1004.39 36.24,1004.39 v2(38.34,1006.5)
  Power w7: v2(-433.45,1252.24) -431.34,1250.14 -431.34,1241.77 -342.97,1153.4 -247.62,1153.4 -96.45,1002.23 31.1,1002.23 35.37,1006.5 v2(38.34,1006.5)
N_SET: R71.1 R73.2 U9.30 | length 147.9
  Bottom Layer w10: U9.30@-959.14,1989.05 R71.1@-959.14,1894.88 R73.2@-905.4,1894.88
NetC14_2: C14.2 FB1.1 Y1.4 | length 103.5
  Top Layer w8: v2(-880.49,1562.14) -877.79,1562.14 -874.76,1565.16 -867.4,1565.16 -855.65,1576.91 Y1.4@-855.65,1578.88
  Bottom Layer w8: FB1.1@-916.02,1575.71 -902.45,1562.14 v2(-880.49,1562.14) -880.19,1561.83 -851.6,1561.83 C14.2@-851.3,1561.53
NetC27_2: C27.2 D2.1 U3.8 | length 129.7
  Top Layer w10: U3.8@-1594.41,1366.81 v3(-1566.23,1366.81)
  Bottom Layer w20: C27.2@-1604.09,1364.92 -1602.2,1366.81 -1562.24,1366.81 -1521.3,1325.87 D2.1@-1521.3,1324.88
NetC29_2: C29.2 D4.1 U4.8 | length 126.6
  Top Layer w10: U4.8@-1339.41,1366.81 -1339.25,1366.65 -1314.31,1366.65 v3(-1314.15,1366.5)
  Bottom Layer w20: C29.2@-1344.09,1364.92 -1342.51,1366.5 -1301.93,1366.5 -1261.3,1325.87 D4.1@-1261.3,1324.88
NetC31_2: C31.2 D6.1 U5.8 | length 129.7
  Top Layer w10: U5.8@-1079.41,1366.81 v3(-1051.23,1366.81)
  Bottom Layer w20: C31.2@-1084.09,1364.92 -1082.2,1366.81 -1042.24,1366.81 -1001.3,1325.87 D6.1@-1001.3,1324.88
NetC44_1: C44.1 L1.1 U10.2 | length 65.3
  Bottom Layer w10: v2(-1443.38,160.53) -1382.78,160.53 C44.1@-1379.49,163.82
NetC44_2: C44.2 U10.6 | length 117.3
  Top Layer w10: U10.6@-1313.23,200.06 -1277.09,200.06 v3(-1276.67,200.47)
  Bottom Layer w10: C44.2@-1342.09,163.82 -1313.33,163.82 v3(-1276.67,200.47)
NetC51_1: C51.1 L2.1 U11.2 | length 106.1
  Top Layer w8: v3(205.33,1091.64) 205.47,1091.5 205.47,1053.1 U11.2@205.62,1052.95
  Bottom Layer w8: v3(205.33,1091.64) 205.33,1088.39 213.8,1079.92 C51.1@213.8,1027.86
NetC51_2: C51.2 U11.6 | length 118
  Top Layer w10: U11.6@243.02,962.47 243.02,923.81 v3(243.23,923.59)
  Bottom Layer w10: C51.2@213.8,990.45 213.8,953.02 v3(243.23,923.59)
NetC58_2: C58.2 D9.3 R71.2 U12.3 | length 172.1
  Top Layer w10: U12.3@-984.14,1803.03 -984.14,1813.86 -967.99,1830 -958.19,1830 v2(-956.28,1831.91)
  Bottom Layer w10: D9.3@-1023.78,1852.24 -1019.5,1856.52 -957.7,1856.52 -956.28,1857.94 v2(-956.28,1831.91) -956.28,1805.89 C58.2@-953.43,1803.03
NetD2_2: D2.2 R11.2 | length 56.5
  Bottom Layer w20: D2.2@-1521.3,1444.96 -1521.3,1499.97 -1520.58,1500.68 R11.2@-1520.58,1501.19
NetD3_1: D3.1 Q1.4 R12.2 | length 592.5
  Top Layer w10: R12.2@-1577.37,1320.31 -1577.37,1298.59 v2(-1576.24,1297.46)
  Top Layer w12: v1(-1723.36,896.91) -1701.95,896.91 Q1.4@-1696.65,891.61
  Power w10: v1(-1723.36,896.91) -1723.36,1229.91 -1655.81,1297.46 v2(-1576.24,1297.46)
  Bottom Layer w12: v1(-1723.36,896.91) -1723.16,896.72 -1691.49,896.72 D3.1@-1691.3,896.52
NetD4_2: D4.2 R20.2 | length 56.2
  Bottom Layer w20: D4.2@-1261.3,1444.96 R20.2@-1261.3,1501.19
NetD5_1: D5.1 Q3.4 R23.2 | length 563.5
  Top Layer w12: v1(-1426.3,894.92) -1397.46,894.92 Q3.4@-1394.15,891.61 ; v2(-1322.25,1296.3) -1322.11,1296.44 R23.2@-1322.11,1320.31
  Power w12: v1(-1426.3,894.92) -1426.3,1236.34 -1366.33,1296.3 v2(-1322.25,1296.3)
  Bottom Layer w12: v1(-1426.3,894.92) -1425.5,895.72 -1392.1,895.72 D5.1@-1391.3,896.52
NetD6_2: D6.2 R31.2 | length 56.2
  Bottom Layer w20: D6.2@-1001.3,1444.96 R31.2@-1001.3,1501.19
NetD8_1: D8.1 Q5.4 R35.2 | length 516.7
  Top Layer w12: v1(-1121.7,896.51) -1096.54,896.51 Q5.4@-1091.65,891.61 ; R35.2@-1062.37,1320.31 -1061.39,1319.33 v2(-1061.39,1297.4)
  Power w12: v1(-1121.7,896.51) -1121.7,1237.09 v2(-1061.39,1297.4)
  Bottom Layer w12: v1(-1121.7,896.51) D8.1@-1086.3,896.52
NetIC200_25: IC200.25
NetIC200_26: IC200.26
NetIC200_27: IC200.27
NetIC200_28: IC200.28
NetIC200_29: IC200.29
NetIC200_30: IC200.30
NetIC200_33: IC200.33
NetIC200_34: IC200.34
NetIC200_35: IC200.35
NetIC200_51: IC200.51 Y1.3 | length 133.5
  Top Layer w7: Y1.3@-855.65,1506.05 -850.34,1511.36 -823.41,1511.36 -784.8,1549.98 IC200.51@-740.3,1549.98
NetIC200_64: IC200.64
NetIC200_65: IC200.65
NetIC200_66: IC200.66
NetIC200_67: IC200.67
NetIC200_68: IC200.68
NetIC200_69: IC200.69
NetJ2_6: J2.6 R4.1 | length 420.5
  Bottom Layer w7: R4.1@-163.52,1839.28 -163.52,2002.84 -129.31,2037.06 22.91,2037.06 J2.6@62.72,1997.24
NetQ2_4: Q2.4 R15.2 | length 122.8
  Top Layer w10: Q2.4@-1696.65,1206.61 -1696.65,1269.49 -1675.13,1291.01 -1675.13,1319.8 R15.2@-1674.61,1320.31
NetQ4_4: Q4.4 R26.2 | length 123.9
  Top Layer w10: R26.2@-1418.75,1320.31 -1418.75,1283.6 -1394.15,1259 Q4.4@-1394.15,1206.61
NetQ6_4: Q6.4 R39.2 | length 139.6
  Top Layer w10: R39.2@-1154.26,1320.31 -1150.13,1316.18 -1150.13,1301.46 -1091.65,1242.99 Q6.4@-1091.65,1206.61
NetQ7_1: Q7.1 R57.1 R58.1 | length 126.2
  Bottom Layer w10: Q7.1@-749.23,1891.1 -739.38,1891.1 -719.02,1870.74 R58.1@-681.47,1870.74 R57.1@-631.47,1870.74
NetQ8_D: Q8.D U9.13 U9.14
NetQ8_G: Q8.G R62.1 R64.1 | length 123.3
  Top Layer w10: R64.1@-996.58,74.92 -996.08,75.42 -996.08,127.38 R62.1@-995.58,127.88 ; R64.1@-996.33,75.17 -995.6,75.9 -928.06,75.9 Q8.G@-927.08,76.88
NetQ9_1: Q9.1 R65.2 R66.1 | length 120.8
  Top Layer w10: Q9.1@-1167.68,162.32 -1167.68,191.12 -1157.54,201.25 -1157.54,222.73 R66.1@-1153.39,226.88 R65.2@-1103.06,226.88
NetQ9_3: Q9.3 R64.2 | length 80.6
  Top Layer w10: Q9.3@-1073.19,124.92 -1066.68,118.41 -1045.02,118.41 -1036.79,110.18 -1036.79,80.55 -1031.16,74.92 R64.2@-1030.66,74.92